# Altium PCB Archimajor.PcbDoc (part 2 of 13) (continued)
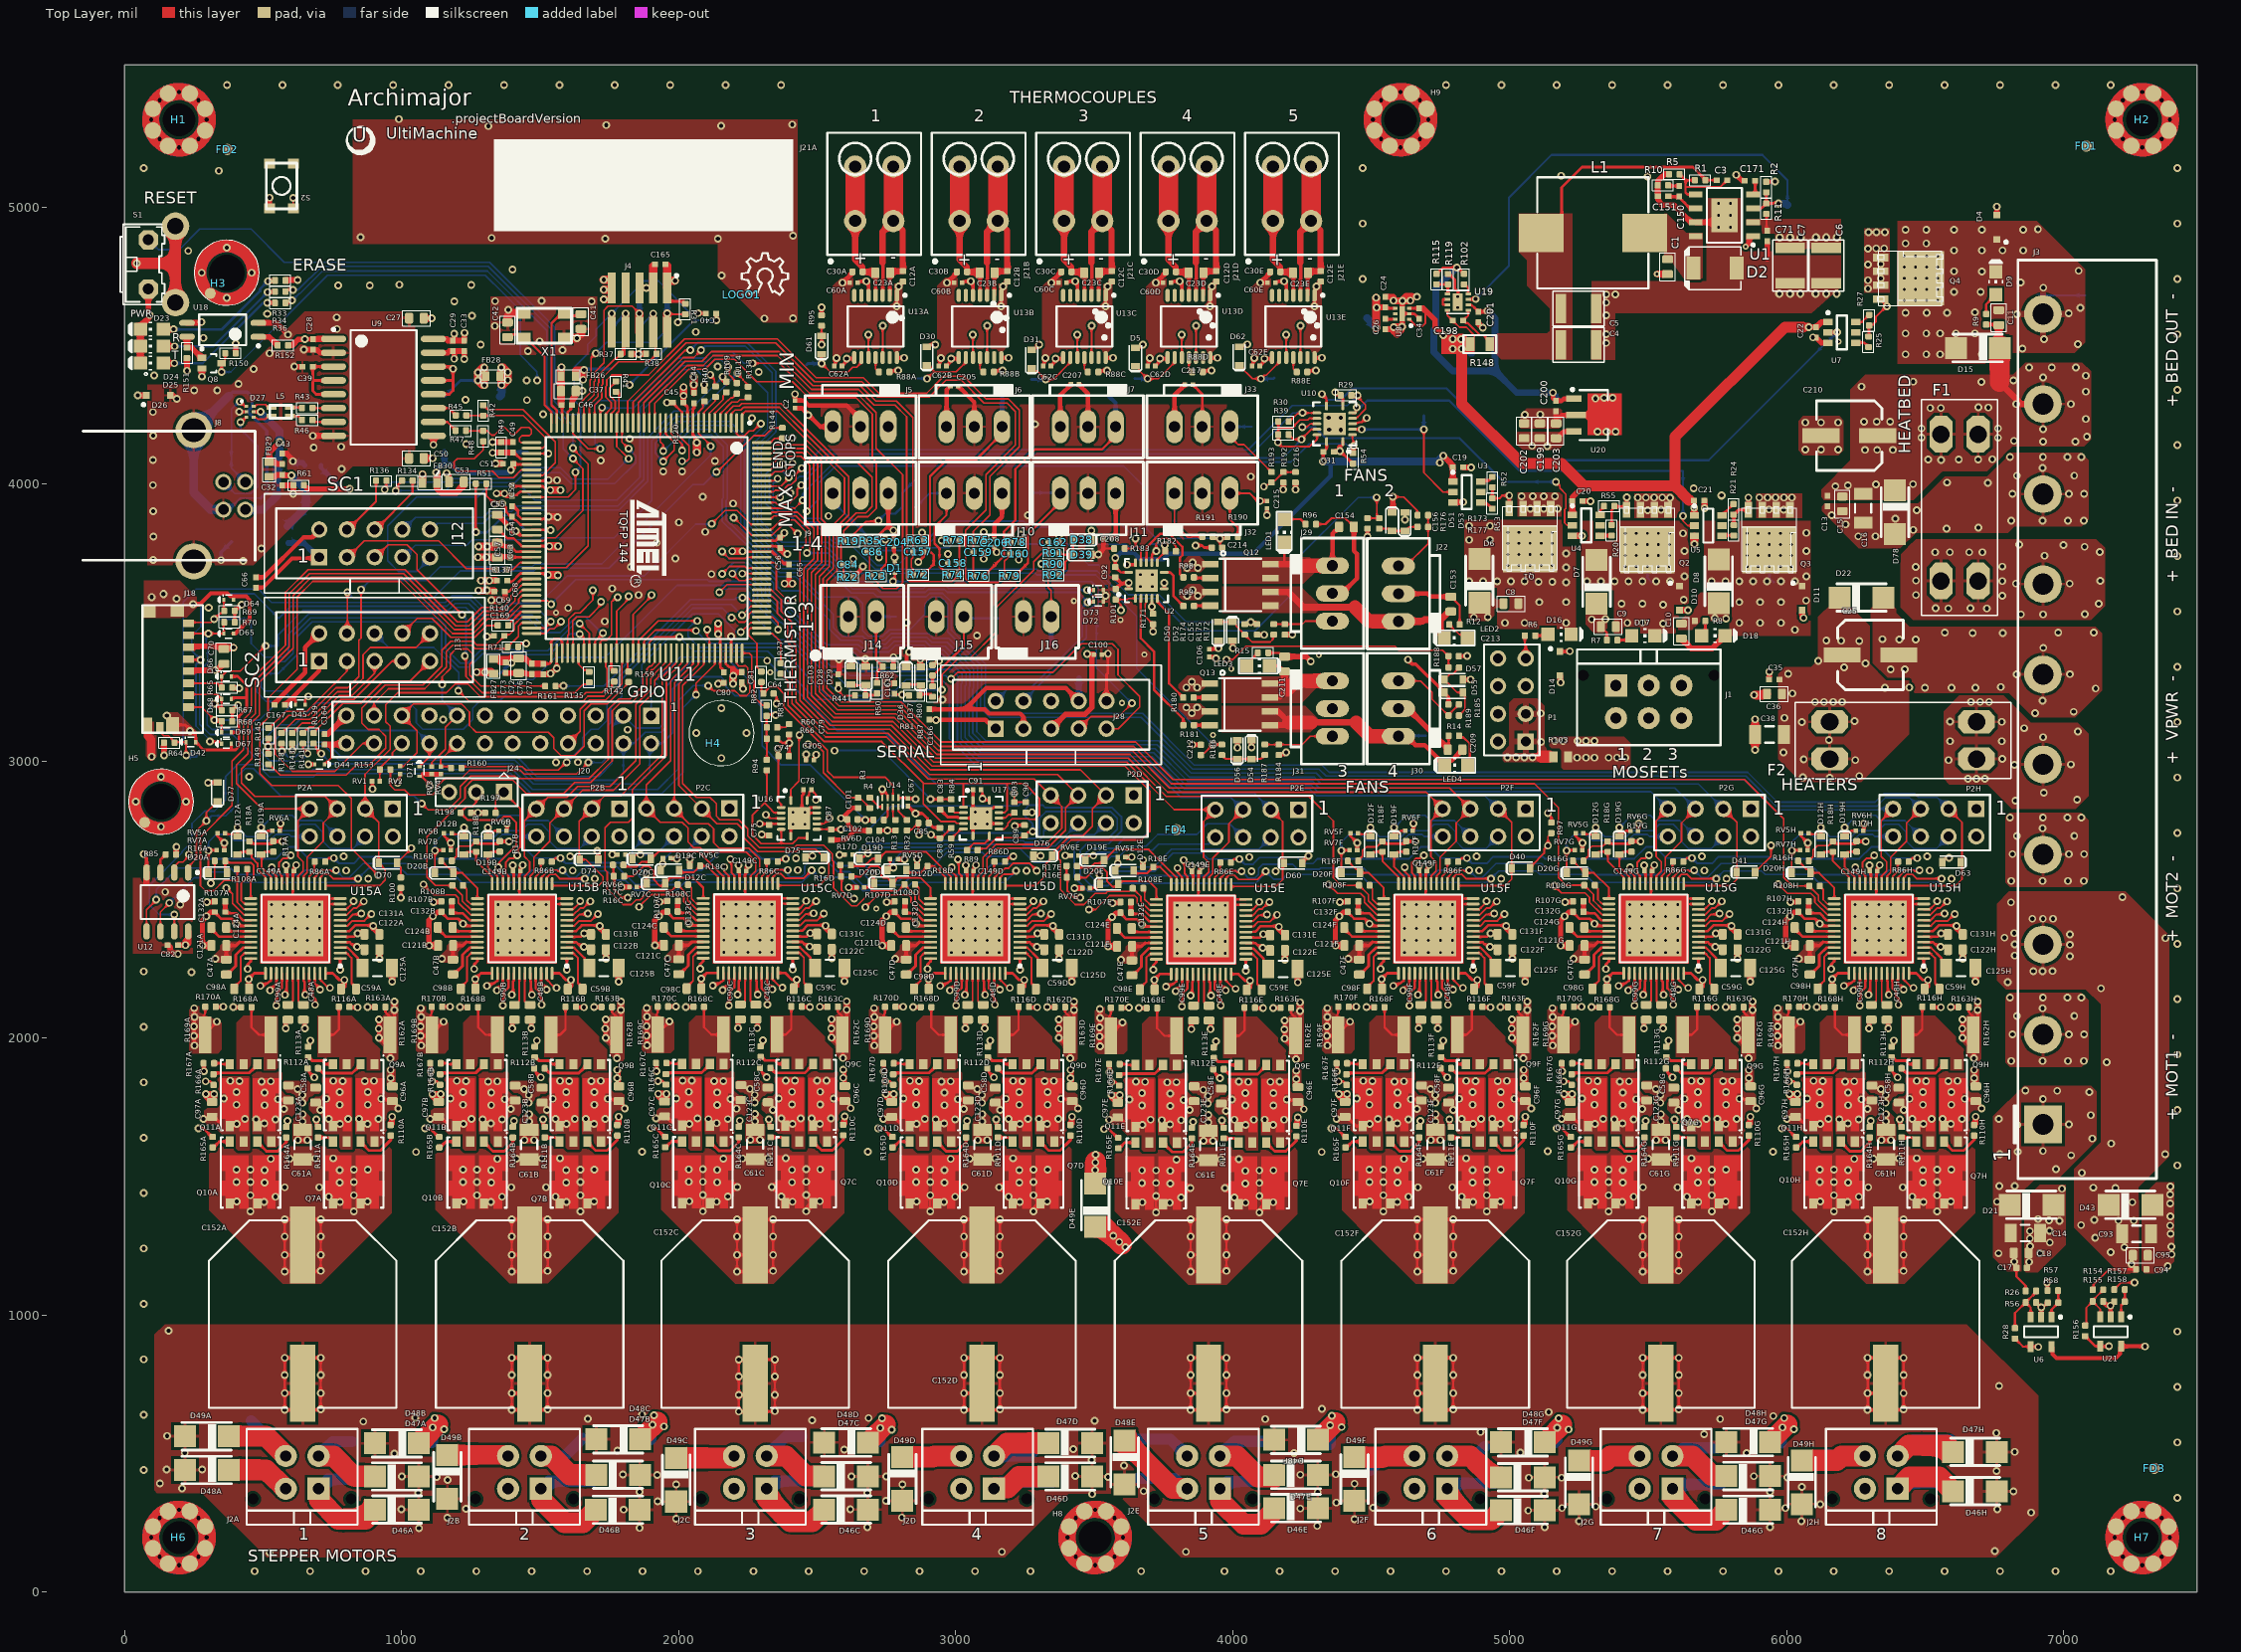
[diagram p0: Top Layer view]
## Components (designator, comment, footprint, x,y, rotation, side; value= is the part's Value field where it differs from the comment) (continued)
RV6A "AVRM0603C6R8NT101N" "C0201 Large Pads" 547.24,2747.44 r0 top value=6.8V (schematic designator RV6)
RV6B "AVRM0603C6R8NT101N" "C0201 Large Pads" 1365.16,2747.44 r0 top value=6.8V (schematic designator RV6)
RV6C "AVRM0603C6R8NT101N" "C0201 Large Pads" 1793.81,2662.18 r180 top value=6.8V (schematic designator RV6)
RV6D "AVRM0603C6R8NT101N" "C0201 Large Pads" 2614.37,2661.22 r180 top value=6.8V (schematic designator RV6)
RV6E "AVRM0603C6R8NT101N" "C0201 Large Pads" 3429.64,2658.24 r180 top value=6.8V (schematic designator RV6)
RV6F "AVRM0603C6R8NT101N" "C0201 Large Pads" 4636.81,2747.44 r0 top value=6.8V (schematic designator RV6)
RV6G "AVRM0603C6R8NT101N" "C0201 Large Pads" 5449.81,2747.44 r0 top value=6.8V (schematic designator RV6)
RV6H "AVRM0603C6R8NT101N" "C0201 Large Pads" 6262.81,2747.44 r0 top value=6.8V (schematic designator RV6)
RV7A "AVRM0603C6R8NT101N" "C0201 Large Pads" 346.46,2677.56 r0 top value=6.8V (schematic designator RV7)
RV7B "AVRM0603C6R8NT101N" "C0201 Large Pads" 1164.37,2677.56 r0 top value=6.8V (schematic designator RV7)
RV7C "AVRM0603C6R8NT101N" "C0201 Large Pads" 1835.94,2544.66 r180 top value=6.8V (schematic designator RV7)
RV7D "AVRM0603C6R8NT101N" "C0201 Large Pads" 2656.5,2543.7 r180 top value=6.8V (schematic designator RV7)
RV7E "AVRM0603C6R8NT101N" "C0201 Large Pads" 3471.77,2540.72 r180 top value=6.8V (schematic designator RV7)
RV7F "AVRM0603C6R8NT101N" "C0201 Large Pads" 4436.02,2677.56 r0 top value=6.8V (schematic designator RV7)
RV7G "AVRM0603C6R8NT101N" "C0201 Large Pads" 5249.02,2677.56 r0 top value=6.8V (schematic designator RV7)
RV7H "AVRM0603C6R8NT101N" "C0201 Large Pads" 6062.02,2677.56 r0 top value=6.8V (schematic designator RV7)
S1 "1571610-2" B3F-31XX 135,4792.53 r270 top value=-NA-
S2 "KMR741NG ULC LFS" "KMR 6 Series" 566.93,5075.79 r90 top value=-NA-
TP1 "TestPoint" TP1-27#1 4814.68,3248.4 r180 bottom
TP2 "TestPoint" TP1-27#1 4482,3503.32 r180 bottom
TP3A "TP4" TP-2 822.12,542.88 r270 bottom (schematic designator TP3)
TP3B "TP4" TP-2 1654.38,555.36 r270 bottom (schematic designator TP3)
TP3C "TP4" TP-2 2446.86,561.6 r270 bottom (schematic designator TP3)
TP3D "TP4" TP-2 3331.38,557.7 r270 bottom (schematic designator TP3)
TP3E "TP4" TP-2 4124.64,543.66 r270 bottom (schematic designator TP3)
TP3F "TP4" TP-2 4910.1,524.16 r270 bottom (schematic designator TP3)
TP3G "TP4" TP-2 5748.6,520.26 r270 bottom (schematic designator TP3)
TP3H "TP4" TP-2 6593.34,549.9 r270 bottom (schematic designator TP3)
TP4 "TestPoint" TP1-27#2 3444.76,3298.6 r90 bottom
TP5 "TP4" TP-2 386,4091.01 r180 bottom
TP6 "TP4" TP-2 449,4168.53 r180 bottom
TP7 "TestPoint" TP1-27#2 5188.3,4304.39 r90 bottom
TP8 "TestPoint" TP1-27#1 4360.24,3793.68 r90 bottom
TP9 "TP4" TP-2 2455,3315.01 r90 bottom
TP10 "TP4" TP-2 2896.37,3256.38 r90 bottom
TP11A "TP4" TP-2 2462.46,4430.15 r90 bottom (schematic designator TP11)
TP11B "TP4" TP-2 2851.68,4381.01 r90 bottom (schematic designator TP11)
TP11C "TP4" TP-2 3274.44,4377.11 r90 bottom (schematic designator TP11)
TP11D "TP4" TP-2 3647.28,4381.01 r90 bottom (schematic designator TP11)
TP11E "TP4" TP-2 4149.6,4382.57 r90 bottom (schematic designator TP11)
TP12A "TP4" TP-2 882.96,407.16 r90 bottom (schematic designator TP12)
TP12B "TP4" TP-2 1692.6,400.14 r90 bottom (schematic designator TP12)
TP12C "TP4" TP-2 2517.06,400.92 r90 bottom (schematic designator TP12)
TP12D "TP4" TP-2 3353.22,396.24 r90 bottom (schematic designator TP12)
TP12E "TP4" TP-2 4125.42,399.36 r90 bottom (schematic designator TP12)
TP12F "TP4" TP-2 4944.42,392.34 r90 bottom (schematic designator TP12)
TP12G "TP4" TP-2 5761.08,388.44 r90 bottom (schematic designator TP12)
TP12H "TP4" TP-2 6594.9,393.9 r90 bottom (schematic designator TP12)
TP13 "TP4" TP-2 261,3017.53 r270 bottom
TP14 "TP4" TP-2 295,3415.01 r270 bottom
TP15 "TP4" TP-2 555,3415.01 r270 bottom
TP16 "TP4" TP-2 555,3215.01 r270 bottom
TP17 "TestPoint" TP1-27#1 4696.57,3090.92 r180 bottom
TP18 "TestPoint" TP1-27#1 4245.78,3288.76 r180 bottom
TP19 "TP4" TP-2 3788.39,3839.96 r90 bottom
TP20 "TP4" TP-2 457.09,3515.01 r270 bottom
TP21 "TP4" TP-2 557.09,3515.01 r270 bottom
TP22 "TP4" TP-2 555,3315.01 r270 bottom
TP23A "TP4" TP-2 2777.58,5043.23 r90 bottom (schematic designator TP23)
TP23B "TP4" TP-2 3151.98,5043.23 r90 bottom (schematic designator TP23)
TP23C "TP4" TP-2 3528.72,5043.23 r90 bottom (schematic designator TP23)
TP23D "TP4" TP-2 3907.02,5043.23 r90 bottom (schematic designator TP23)
TP23E "TP4" TP-2 4283.76,5043.23 r90 bottom (schematic designator TP23)
TP24A "TP4" TP-2 2638.74,5043.23 r90 bottom (schematic designator TP24)
TP24B "TP4" TP-2 3016.26,5043.23 r90 bottom (schematic designator TP24)
TP24C "TP4" TP-2 3392.22,5043.23 r90 bottom (schematic designator TP24)
TP24D "TP4" TP-2 3770.52,5043.23 r90 bottom (schematic designator TP24)
TP24E "TP4" TP-2 4146.48,5043.23 r90 bottom (schematic designator TP24)
TP25 "TP4" TP-2 2855,4015.01 r90 bottom
TP26 "TP4" TP-2 1755,4415.01 r270 bottom
TP27 "TP4" TP-2 1355,3315.01 r270 bottom
TP29 "TP4" TP-2 1155,4115.01 r270 bottom
TP30 "TP4" TP-2 355,4415.01 r270 bottom
TP31 "TP4" TP-2 655,3915.01 r270 bottom
TP32 "TP4" TP-2 1455,4115.01 r270 bottom
TP33 "TP4" TP-2 6911.42,1509.25 r90 bottom
TP34A "TP4" TP-2 413.4,426.66 r270 bottom (schematic designator TP34)
TP34B "TP4" TP-2 1110.72,539.76 r270 bottom (schematic designator TP34)
TP34C "TP4" TP-2 1900.86,550.68 r270 bottom (schematic designator TP34)
TP34D "TP4" TP-2 2728.58,542.88 r270 bottom (schematic designator TP34)
TP34E "TP4" TP-2 3654.3,409.5 r270 bottom (schematic designator TP34)
TP34F "TP4" TP-2 4350.84,531.96 r270 bottom (schematic designator TP34)
TP34G "TP4" TP-2 5165.94,539.76 r270 bottom (schematic designator TP34)
TP34H "TP4" TP-2 5980.26,537.42 r270 bottom (schematic designator TP34)
TP35 "TP4" TP-2 4690.12,4246.5 r270 bottom
TP36 "TP4" TP-2 4865.95,4470.51 r0 bottom
TP37 "TP4" TP-2 7079.28,4680.97 r270 bottom
TP38 "TP4" TP-2 5953.11,3646.02 r90 bottom
TP39 "TP4" TP-2 5512.12,3646.01 r270 bottom
TP40 "TP4" TP-2 5090.12,3650.01 r180 bottom
TP41A "TP4" TP-2 457.86,617.76 r270 bottom (schematic designator TP41)
TP41B "TP4" TP-2 1271.4,490.62 r270 bottom (schematic designator TP41)
TP41C "TP4" TP-2 2056.08,486.72 r270 bottom (schematic designator TP41)
TP41D "TP4" TP-2 2902.38,491.4 r270 bottom (schematic designator TP41)
TP41E "TP4" TP-2 3654.3,551.46 r270 bottom (schematic designator TP41)
TP41F "TP4" TP-2 4496.7,438.36 r270 bottom (schematic designator TP41)
TP41G "TP4" TP-2 5319.6,489.06 r270 bottom (schematic designator TP41)
TP41H "TP4" TP-2 6147.18,498.42 r270 bottom (schematic designator TP41)
TP43 "TP4" TP-2 7079.28,4288.19 r90 bottom
TP44 "TP4" TP-2 7079.28,3642.35 r180 bottom
TP46 "TP4" TP-2 6185.4,3298.37 r90 bottom
TP47 "TP4" TP-2 4485.38,4598.74 r180 bottom
TP48 "TP4" TP-2 7079.28,2988.71 r180 bottom
TP49 "TP4" TP-2 1955,4654.38 r0 bottom
TP50 "TP4" TP-2 1855,4654.38 r0 bottom
TP51 "TP4" TP-2 7079.28,3316.31 r180 bottom
TP52 "TP4" TP-2 1855,4554.38 r0 bottom
TP53 "TP4" TP-2 1755,4554.38 r0 bottom
TP54 "TP4" TP-2 3508.86,3486.61 r0 bottom
TP55 "TP4" TP-2 7079.28,3920.03 r90 bottom
TP56 "TP4" TP-2 1655,4215.01 r90 bottom
TP58 "TP4" TP-2 4990.12,3950.01 r90 bottom
TP59 "TP4" TP-2 5125.7,4007.26 r270 bottom
TP60 "TP4" TP-2 386,3791.01 r90 bottom
TP61 "TP4" TP-2 554.13,4071.5 r90 bottom
TP62 "TP4" TP-2 5412.12,3946.01 r90 bottom
TP63 "TP4" TP-2 5625.7,4046.63 r270 bottom
TP64 "TP4" TP-2 5853.11,3946.02 r90 bottom
TP65 "TP4" TP-2 6138.48,4505.97 r180 bottom
TP66 "TP4" TP-2 6357,4614.1 r270 bottom
TP67 "TP4" TP-2 2642.44,3851.09 r90 bottom
TP69 "TestPoint" TP1-27#2 6003,5007.01 r90 bottom
TP74 "TP4" TP-2 365.83,2802.05 r90 bottom
TP75 "TP4" TP-2 1914.37,3282.87 r0 bottom
TP76 "TP4" TP-2 1799.21,2957.09 r0 bottom
TP77 "TP4" TP-2 1895.67,2959.06 r0 bottom
TP78 "TP4" TP-2 365.13,2909.77 r90 bottom
TP79 "TP4" TP-2 7079.28,2341.31 r90 bottom
TP80 "TP4" TP-2 3155,4315.01 r90 bottom
TP81 "TP4" TP-2 2855,3915.01 r90 bottom
TP82 "TP4" TP-2 4069.6,4206.53 r90 bottom
TP101 "TP4" TP-2 2548.93,3272.02 r90 bottom
TP106 "TP4" TP-2 2786.14,3527.93 r270 bottom
TP107 "TP4" TP-2 3155,3515.01 r270 bottom
TP108 "TP4" TP-2 3355,3415.01 r270 bottom
TP128 "TP4" TP-2 1355,4315.01 r90 bottom
TP129 "TP4" TP-2 1155,4315.01 r90 bottom
TP130 "TP4" TP-2 3555,4315.01 r90 bottom
TP131 "TP4" TP-2 3280.51,3967.91 r90 bottom
U1 "TPS54531" SOIC127P600X170_HS-9L 5775.35,4969.71 r180 top
U2 "SN74AHCT125RGYR" QFN50P350X350X100_RGY_S-PVQFN-N14#1 3688.93,3651.11 r0 top value="Tri-State Buffer"
U3 "ZXGD3009E6" SOT26P285X140-6L 4845.29,3970.9 r0 top
U4 "ZXGD3009E6" SOT26P285X140-6L 5276.57,3850.15 r0 top
U5 "ZXGD3009E6" SOT26P285X140-6L 5716.92,3849.5 r0 top
U6 "AP331A" SOT23-5 6918.36,939.19 r270 top
U7 "ZXGD3009E6" SOT26P285X140-6L 6199.31,4546.97 r0 top
U8 "MIC5353-3.3YMT-TR" TDFN1616-6LD-PL-1 4612.27,4614.39 r90 top value="3.3V LDO"
U9 "ADuM3160" ADuM4160 935,4348.53 r0 top value="USB ISO"
U10 "SN74AHCT125RGYR" QFN50P350X350X100_RGY_S-PVQFN-N14#2 4368.53,4216.88 r90 top value="Tri-State Buffer"
U11 "ATSAM3X8EA-AU" LQFP144_N 1885,3804.63 r270 top value=-NA-
U12 "AT25SF161-SSHD-T" S25FL216K0PMFI041 155.02,2490.97 r270 top value=16Mb
U13A "MAX31856MUD" "TSSOP-14L 65P640X110" 2711.22,4568.46 r270 top (schematic designator U13)
U13B "MAX31856MUD" "TSSOP-14L 65P640X110" 3088.21,4568.46 r270 top (schematic designator U13)
U13C "MAX31856MUD" "TSSOP-14L 65P640X110" 3465.21,4568.46 r270 top (schematic designator U13)
U13D "MAX31856MUD" "TSSOP-14L 65P640X110" 3842.21,4568.46 r270 top (schematic designator U13)
U13E "MAX31856MUD" "TSSOP-14L 65P640X110" 4219.21,4568.46 r270 top (schematic designator U13)
U14 "74AVC9112" XSON50P100X50-8L 2764.51,2850.48 r270 top
U15A "TMC5160-TA" TQFP48-EP 617.42,2395.09 r180 top (schematic designator U15)
U15B "TMC5160-TA" TQFP48-EP 1435.33,2395.09 r180 top (schematic designator U15)
U15C "TMC5160-TA" TQFP48-EP 2250.6,2396.05 r180 top (schematic designator U15)
U15D "TMC5160-TA" TQFP48-EP 3071.16,2395.09 r180 top (schematic designator U15)
U15E "TMC5160-TA" TQFP48-EP 3886.43,2392.12 r180 top (schematic designator U15)
U15F "TMC5160-TA" TQFP48-EP 4706.98,2395.09 r180 top (schematic designator U15)
U15G "TMC5160-TA" TQFP48-EP 5519.98,2395.09 r180 top (schematic designator U15)
U15H "TMC5160-TA" TQFP48-EP 6332.98,2395.09 r180 top (schematic designator U15)
U16 "SN74LVC125A" PVQFN14_3.5X3.5 2434.76,2792.69 r270 top
U17 "SN74LVC125A" PVQFN14_3.5X3.5 3092.52,2793.7 r270 top
U18 "TLP293" SO-4 354.48,4556.14 r180 top value=-NA-
U19 "INA381A2IDSGR" WSON8_2X2MM 4812.95,4656.51 r180 top value=INA381A2
U20 "78L05" SOT-89-3 5302.83,4248.28 r0 top value="5V LDO"
U21 "AP331A" SOT23-5 7169.5,939.81 r270 top
X1 "12MHz" CRYS320500 1514.98,4570.99 r0 top

## Footprints (in the part's own frame and the unit in brackets; to place one, negate y for a bottom-side part, rotate by r counter-clockwise, add the part's x,y. Pads: shape width x height; smd on the part's side, far side on the other; paste and mask are expansions set on the pad)
3557 [mil] "3557"
  oct 133x83 hole 63: 1(-265,-67) 1(-265,67) 2(265,-67) 2(265,67)
  silkscreen extent -390,-138 390,138, body extent -392,-140 392,140, height 709
43045-0412 [mm] "Micro-Fit Through Hole 4pos 0.118\" (3.00mm)"
  rect 2.032x2.032 hole 1.02: 1(-1.5,1.5)
  round 2.032 hole 1.02: 2(-1.5,-1.5) 3(1.5,1.5) 4(1.5,-1.5)
  round 0 hole 1.02 unplated: ""(-4.5,2.44) ""(4.5,2.44)
  silkscreen extent -5.07,-3.97 5.08,4.8, body extent -5.07,-3.97 5.08,4.8, height 9.9
43045-0612 [mm] "Micro-Fit Through Hole 6pos 0.118\" (3.00mm)"
  rect 2.032x2.032 hole 1.02: 1(-3,1.5)
  round 2.032 hole 1.02: 2(-3,-1.5) 3(0,1.5) 4(0,-1.5) 5(3,1.5) 6(3,-1.5)
  round 0 hole 1.02 unplated: ""(-6,2.44) ""(6,2.44)
  silkscreen extent -6.57,-3.97 6.58,4.8, body extent -6.57,-3.97 6.58,4.8, height 9.9
"70543-01 PIN-IN-PASTE" [mil]
  oval 60x120 hole 40: 1(-50,0) 2(50,0)
  oval 59x119 on Top Paste: ""(-50,0) ""(50,0)
  silkscreen extent -150,-150 150,113, body extent -150,-150 150,113, height 450
"70543-02 PIN-IN-PASTE" [mil]
  oval 60x120 hole 40: 1(-100,0) 2(0,0) 3(100,0)
  oval 59x119 on Top Paste: ""(-100,0) ""(0,0) ""(100,0)
  silkscreen extent -200,-150 200,113, body extent -200,-150 200,113, height 450
1864286 [mm] "TERM BLOCK 2POS 45DEG 3.5MM PCB"
  round 2.032 hole 1.1: 1(-1.75,-2.5) 1(-1.75,2.5) 2(1.75,-2.5) 2(1.75,2.5)
  silkscreen extent -4.3,-6.34 4.3,5.6, body extent -4.3,-5.6 4.3,5.6, height 10.9
ADuM4160 [mm] "SOIC, 16-Leads, Body 10.30x7.50mm, Pitch 1.27mm, IPC Medium Density"
  oval 2.3x0.6 smd: 1(-4.575,4.445) 2(-4.575,3.175) 3(-4.575,1.905) 4(-4.575,0.635) 5(-4.575,-0.635) 6(-4.575,-1.905) 7(-4.575,-3.175) 8(-4.575,-4.445) 9(4.575,-4.445) 10(4.575,-3.175) 11(4.575,-1.905) 12(4.575,-0.635) 13(4.575,0.635) 14(4.575,1.905) 15(4.575,3.175) 16(4.575,4.445)
  silkscreen extent -4.7,-5.25 3.03,5.42, body extent -3.8,-5.25 3.8,5.25, height 2.65
B3F-31XX [mil]
  oct 70x70 hole 40: 1(-89,-49) 2(89,-49)
  round 100 hole 59: 3(-138,49) 4(138,49)
  silkscreen extent -145,-150 145,10, body extent -165,-200 165,109, height 303
"C0201 Large Pads" [mm] "Chip Capacitor, 2-Leads, Body 0.60x0.30mm, IPC Medium Density"
  rect 0.42x0.42 smd: 1(-0.35,0) 2(0.35,0)
  body extent -0.31,-0.17 0.32,0.16, height 0.33
C0402#1 [mm]
  rect 0.55x0.5 smd: 1(-0.475,0) 2(0.483,0)
  body extent -0.51,-0.25 0.51,0.25, height 0.5
C0402#2 [mm]
  rrect40% 0.559x0.61 smd: 1(-0.475,0) 2(0.475,0)
  body extent -0.5,-0.25 0.51,0.25, height 0.5
C0603 [mm]
  rrect40% 0.74x1 smd: 1(-0.68,0) 2(0.68,0)
  silkscreen extent -1.28,-0.7 1.28,0.7, body extent -0.8,-0.4 0.8,0.4, height 0.8
C1206#1 [mm] "Chip Capacitor, Body 3.2x1.6mm, IPC High Density"
  rect 1.1x1.7 smd: 1(-1.35,0) 2(1.35,0)
  silkscreen extent -0.4,-0.75 0.4,0.75, body extent -1.7,-0.9 1.7,0.9, height 1.3
C1206#2 [mm]
  rect 1.1x1.7 smd: 1(-1.325,0) 2(1.325,0)
  silkscreen extent -0.4,-0.75 0.4,0.75, body extent -1.68,-0.87 1.67,0.88, height 1.6
C1210 [mm]
  rect 0.95x2.7 smd: 1(-1.625,0) 2(1.625,0)
  silkscreen extent -2.35,-1.6 2.35,1.6, body extent -1.75,-1.35 1.75,1.35, height 2.7
CAP16x17 [mm] "Aluminum Electrolytic Capacitor, Body 10.30x10.30x10.80mm, IPC High Density"
  rect 7.05x2.3 smd: 1(-6.345,0) 2(6.345,0)
  silkscreen extent -8.6,-8.6 8.6,8.6, body extent -8.6,-8.6 8.6,8.6, height 17
CAP-ELEC-063063077 [mm] "6.3x6.3x7.7mm"
  rect 3.4x1.4 smd: 1(2.6,0) 2(-2.6,0)
  silkscreen extent -3,-3.2 3,3.2, body extent -3.5,-3.3 3.5,3.3, height 5.4
CON-Barrier-10-8.26mm [mil]
  rect 136x135.98 hole 75.98: 1(-812.5,160)
  oval 136x135.98 hole 75.98: 2(-487.5,160) 3(-162.5,160) 4(162.5,160) 5(487.5,160) 6(812.5,160) 7(1138.29,160) 8(1463.29,160) 9(1788.29,160) 10(2113.29,160)
  silkscreen extent -1008,-250 2308,265, body extent -1007,-250 2308,250, height 530
CRYS320500 [mm]
  rect 1.2x0.9 smd: 1(-1.85,-1.1) 2(1.85,-1.1) 3(1.85,1.1) 4(-1.85,1.1)
  round 0.889 on Top Overlay: ""(-1.85,-2.25)
  silkscreen extent -2.5,-1.6 2.5,1.6, body extent -2.55,-1.65 2.55,1.65, height 1.05
DLW21HN900SQ2L [mm]
  rect 0.9x0.4 smd: 1(-0.85,0.4) 2(0.85,0.4) 3(0.85,-0.4) 4(-0.85,-0.4)
  silkscreen extent -1,-0.6 1,0.6, body extent -1,-0.6 1,0.6, height 1
FB0603 [mm] "Ferrite Bead, Samsung CIS10P High Current Series"
  rect 0.67x0.88 smd: 1(-0.665,0) 2(0.665,0)
  silkscreen extent -1.1,-0.6 1.1,0.6, body extent -0.87,-0.48 0.87,0.48, height 0.95
FIDUCIAL-1X2 [mil]
  rrect100% 40x40 smd paste-3897.64 mask+20: F(0,0)
  body extent -20,-20 20,20, height 1
FTSH-105-XX-X-DV [mm] "1.27mm pitch, 10 pin, terminal strip; vertical, SMT"
  rect 0.75x2.8 smd: 1(2.54,2.03) 2(2.54,-2.03) 3(1.27,2.03) 4(1.27,-2.03) 5(0,2.03) 6(0,-2.03) 7(-1.27,2.03) 8(-1.27,-2.03) 9(-2.54,2.03) 10(-2.54,-2.03)
  silkscreen extent 3.28,3.03 3.52,3.27, body extent -3.14,-2.54 3.14,2.54, height 10
HDR2X4 [mm] "Connector; Header; 4x2 Position"
  rect 1.5x1.5 hole 0.9: 1(0,0)
  round 1.5 hole 0.9: 2(0,2.54) 3(2.54,0) 4(2.54,2.54) 5(5.08,0) 6(5.08,2.54) 7(7.62,0) 8(7.62,2.54)
  silkscreen extent -1.27,-1.27 8.89,3.81, body extent -1.37,-1.37 8.99,3.91, height 6.35
"HDR2X5 IDC" [mm] "Connector; Header; 5x2 Position"
  rect 1.5x1.5 hole 0.9: 1(-5.08,-1.27)
  round 1.5 hole 0.9: 2(-5.08,1.27) 3(-2.54,-1.27) 4(-2.54,1.27) 5(0,-1.27) 6(0,1.27) 7(2.54,-1.27) 8(2.54,1.27) 9(5.08,-1.27) 10(5.08,1.27)
  silkscreen extent -10.11,-4.55 10.11,4.55, body extent -10.19,-4.63 10.19,4.63, height 9.1
HDR2X12 [mm] "Connector; Header; 12x2 Position"
  rect 1.5x1.5 hole 0.9: 1(0,0)
  round 1.5 hole 0.9: 2(0,2.54) 3(2.54,0) 4(2.54,2.54) 5(5.08,0) 6(5.08,2.54) 7(7.62,0) 8(7.62,2.54) 9(10.16,0) 10(10.16,2.54) 11(12.7,0) 12(12.7,2.54) 13(15.24,0) 14(15.24,2.54) 15(17.78,0) 16(17.78,2.54) 17(20.32,0) 18(20.32,2.54) 19(22.86,0) 20(22.86,2.54) 21(25.4,0) 22(25.4,2.54) 23(27.94,0) 24(27.94,2.54)
  silkscreen extent -1.27,-1.27 29.21,3.81, body extent -1.37,-1.37 29.31,3.91, height 10
HDR3X1 [mm]
  rect 1.5x1.5 hole 0.9: 1(-2.54,0)
  round 1.5 hole 0.9: 2(0,0) 3(2.48,0)
  silkscreen extent -3.81,-1.78 3.73,1.27, body extent -3.81,-1.27 3.73,1.27, height 6.35
IND_10X10 [mm]
  rect 4.1x3.5 smd: 1(-4.75,0) 2(4.75,0)
  silkscreen extent -5.1,-5.1 5.1,5.1, body extent -5,-5 5,5, height 4
"KMR 6 Series" [mm] "Tactile Switch SPST-NO Top Actuated Surface Mount"
  rect 0.9x1 smd: 1(-2.05,1.1) 2(2.05,1.1) 3(-2.05,-1.1) 4(2.05,-1.1)
  silkscreen extent -2.1,-1.4 2.1,1.4, body extent -2.1,-1.4 2.1,1.4, height 1.9
LED2012120 [mil]
  rect 48x48 smd: A(-41.34,0) C(42,0)
  silkscreen extent 0,-27 85,27, body extent -50,-25 50,25, height 28
LQFP144_N [mm] "Thin QFP, 144-Leads, Body 20x20mm, Pitch 0.5mm, IPC Medium Density"
  oval 1.8x0.249 smd: 1(-10.55,8.75) 2(-10.55,8.25) 3(-10.55,7.75) 4(-10.55,7.25) 5(-10.55,6.75) 6(-10.55,6.25) 7(-10.55,5.75) 8(-10.55,5.25) 9(-10.55,4.75) 10(-10.55,4.25) 11(-10.55,3.75) 12(-10.55,3.25) 13(-10.55,2.75) 14(-10.55,2.25) 15(-10.55,1.75) 16(-10.55,1.25) 17(-10.55,0.75) 18(-10.55,0.25) 19(-10.55,-0.25) 20(-10.55,-0.75) 21(-10.55,-1.25) 22(-10.55,-1.75) 23(-10.55,-2.25) 24(-10.55,-2.75) 25(-10.55,-3.25) 26(-10.55,-3.75) 27(-10.55,-4.25) 28(-10.55,-4.75) 29(-10.55,-5.25) 30(-10.55,-5.75) 31(-10.55,-6.25) 32(-10.55,-6.75) 33(-10.55,-7.25) 34(-10.55,-7.75) 35(-10.55,-8.25) 36(-10.55,-8.75) 73(10.55,-8.75) 74(10.55,-8.25) 75(10.55,-7.75) 76(10.55,-7.25) 77(10.55,-6.75) 78(10.55,-6.25) 79(10.55,-5.75) 80(10.55,-5.25) 81(10.55,-4.75) 82(10.55,-4.25) 83(10.55,-3.75) 84(10.55,-3.25) 85(10.55,-2.75) 86(10.55,-2.25) 87(10.55,-1.75) 88(10.55,-1.25) 89(10.55,-0.75) 90(10.55,-0.25) 91(10.55,0.25) 92(10.55,0.75) 93(10.55,1.25) 94(10.55,1.75) 95(10.55,2.25) 96(10.55,2.75) 97(10.55,3.25) 98(10.55,3.75) 99(10.55,4.25) 100(10.55,4.75) 101(10.55,5.25) 102(10.55,5.75) 103(10.55,6.25) 104(10.55,6.75) 105(10.55,7.25) 106(10.55,7.75) 107(10.55,8.25) 108(10.55,8.75)
  oval 0.249x1.8 smd: 37(-8.75,-10.55) 38(-8.25,-10.55) 39(-7.75,-10.55) 40(-7.25,-10.55) 41(-6.75,-10.55) 42(-6.25,-10.55) 43(-5.75,-10.55) 44(-5.25,-10.55) 45(-4.75,-10.55) 46(-4.25,-10.55) 47(-3.75,-10.55) 48(-3.25,-10.55) 49(-2.75,-10.55) 50(-2.25,-10.55) 51(-1.75,-10.55) 52(-1.25,-10.55) 53(-0.75,-10.55) 54(-0.25,-10.55) 55(0.25,-10.55) 56(0.75,-10.55) 57(1.25,-10.55) 58(1.75,-10.55) 59(2.25,-10.55) 60(2.75,-10.55) 61(3.25,-10.55) 62(3.75,-10.55) 63(4.25,-10.55) 64(4.75,-10.55) 65(5.25,-10.55) 66(5.75,-10.55) 67(6.25,-10.55) 68(6.75,-10.55) 69(7.25,-10.55) 70(7.75,-10.55) 71(8.25,-10.55) 72(8.75,-10.55) 109(8.75,10.55) 110(8.25,10.55) 111(7.75,10.55) 112(7.25,10.55) 113(6.75,10.55) 114(6.25,10.55) 115(5.75,10.55) 116(5.25,10.55) 117(4.75,10.55) 118(4.25,10.55) 119(3.75,10.55) 120(3.25,10.55) 121(2.75,10.55) 122(2.25,10.55) 123(1.75,10.55) 124(1.25,10.55) 125(0.75,10.55) 126(0.25,10.55) 127(-0.25,10.55) 128(-0.75,10.55) 129(-1.25,10.55) 130(-1.75,10.55) 131(-2.25,10.55) 132(-2.75,10.55) 133(-3.25,10.55) 134(-3.75,10.55) 135(-4.25,10.55) 136(-4.75,10.55) 137(-5.25,10.55) 138(-5.75,10.55) 139(-6.25,10.55) 140(-6.75,10.55) 141(-7.25,10.55) 142(-7.75,10.55) 143(-8.25,10.55) 144(-8.75,10.55)
  silkscreen extent -10.67,-9.25 9.25,9.58, body extent -10,-10 10,10, height 1.6
NCV8402AD-SOIC8 [mil]
  rect 24x60 smd: 1(-75,-108.27) 2(-25,-108.27) 3(25,-108.27) 4(75,-108.27) 5(25,109) 5(75,109) 7(-75,109) 7(-25,109)
  silkscreen extent -122,-75 95,75, body extent -98,-130 99,130, height 58
OSHW_8X150_NOTEXT [mil]
  silkscreen extent 0,0 167,150, body extent 0,2 168,148
PN61729 [mil]
  round 58 hole 38: 1(50,186) 2(-49.21,186) 3(-49.21,107) 4(50,107)
  round 130.5 hole 87: 5(-236.22,0) 6(237,0)
  body extent -237,-405 238,226, height 406
PVQFN14_3.5X3.5 [mm] "QFN, 14-Leads, Body 3.50x3.50mm, Pitch 1.50mm/0.50mm, Thermal Pad 2.05x2.05mm, IPC High Density"
  oval 0.8x0.28 smd: 1(-1.631,-0.75) 7(1.631,-0.75) 8(1.631,0.75) 14(-1.631,0.75)
  oval 0.28x0.8 smd: 2(-1,-1.631) 3(-0.5,-1.631) 4(0,-1.631) 5(0.5,-1.631) 6(1,-1.631) 9(1,1.631) 10(0.5,1.631) 11(0,1.631) 12(-0.5,1.631) 13(-1,1.631)
  rect 2.05x2.05 smd paste-1.143: 15(0,0)
  silkscreen extent -2.66,-1.97 1.97,1.97, body extent -1.83,-1.83 1.83,1.83, height 1
QFN50P350X350X100_RGY_S-PVQFN-N14#1 [mm] "QFN, 14-Leads, Body 3.50x3.50mm, Pitch 1.50mm/0.50mm, Thermal Pad 2.05x2.05mm, IPC High Density"
  oval 0.8x0.28 smd: 1(-1.631,-0.75) 7(1.631,-0.75) 8(1.631,0.75) 14(-1.631,0.75)
  oval 0.28x0.8 smd: 2(-1,-1.631) 3(-0.5,-1.631) 4(0,-1.631) 5(0.5,-1.631) 6(1,-1.631) 9(1,1.631) 10(0.5,1.631) 11(0,1.631) 12(-0.5,1.631) 13(-1,1.631)
  rect 2.05x2.05 smd paste-1.143: 15(0,0)
  silkscreen extent -2.66,-1.97 1.97,1.97, body extent -1.83,-1.83 1.83,1.83, height 1
QFN50P350X350X100_RGY_S-PVQFN-N14#2 [mm] "QFN, 14-Leads, Body 3.50x3.50mm, Pitch 1.50mm/0.50mm, Thermal Pad 2.05x2.05mm, IPC High Density"
  oval 0.8x0.28 smd: 1(-1.625,-0.75) 7(1.625,-0.75) 8(1.625,0.75) 14(-1.625,0.75)
  oval 0.28x0.8 smd: 2(-1,-1.625) 3(-0.5,-1.625) 4(0,-1.625) 5(0.5,-1.625) 6(1,-1.625) 9(1,1.625) 10(0.5,1.625) 11(0,1.625) 12(-0.5,1.625) 13(-1,1.625)
  rect 2.032x2.032 smd: 15(0,0)
  silkscreen extent -2.66,-1.97 1.97,1.97, body extent -1.83,-1.83 1.83,1.83, height 1
R0402 [mil]
  rrect40% 22x24 smd: 1(-18.9,0) 2(19,0)
  silkscreen extent -38,-19 38,20, body extent -20,-10 20,10, height 14
R0402TBD [mil]
  rrect40% 22x24 smd: 1(-18.9,0) 2(19,0)
  silkscreen extent -38,-19 38,20, body extent -20,-10 20,10, height 14
R0603 [mil]
  rect 29x39 smd: 1(-26.75,0) 2(26.75,0)
  body extent -34,-19 34,19, height 22
R0805 [mm]
  rect 0.8x1.25 smd mask+0.051: 1(-0.9,0) 2(0.9,0)
  silkscreen extent -1.5,-0.82 1.5,0.82, body extent -1.05,-0.67 1.05,0.67, height 0.6
R2512 [mm]
  rect 1.15x3.35 smd: 1(-3,0) 2(3,0)
  body extent -3.22,-1.68 3.22,1.68, height 0.65
S25FL216K0PMFI041 [mm] "SOIC, 8-Leads, Body 4.90x3.90mm, Pitch 1.27mm, IPC Medium Density"
  oval 1.5x0.6 smd: 1(-2.7,1.905) 2(-2.7,0.635) 3(-2.7,-0.635) 4(-2.7,-1.905) 5(2.7,-1.905) 6(2.7,-0.635) 7(2.7,0.635) 8(2.7,1.905)
  silkscreen extent -2.82,-2.45 1.55,2.88, body extent -1.95,-2.45 1.95,2.45, height 1.75
"SD_MICRO 475710001" [mm] "CONN MICRO SD CARD PUSH-PULL R/A Half length"
  rect 0.7x1 smd: 1(3.85,1.465) 2(2.75,1.465) 3(1.65,1.465) 4(0.55,1.465) 5(-0.55,1.465) 6(-1.65,1.465) 7(-2.75,1.465) 8(-3.85,1.465)
  rect 1.05x1.2 smd: 9(-4.975,0.415)
  rect 1.15x1.2 smd: 10(-4.925,-2.175)
  rect 1.45x1.2 smd: 11(5.475,-0.025)
  rect 1x0.694 smd: 12(5.7,-1.175)
  rect 1.4x0.9 smd: 13(5.5,-2.325)
  silkscreen extent -5.5,-2.78 6.2,2.78, body extent -5.38,-2.55 6.02,2.9, height 2.36
SJ#1 [mil]
  rrect50% 46x63 smd paste-32: 1(-30,0) 2(30,0)
  silkscreen extent -65,-40 65,40, body extent -53,-31 53,31, height 4
SJ#2 [mil]
  rrect50% 46x63 smd: 1(-30,0) 2(30,0)
  silkscreen extent -65,-40 65,40, body extent -53,-31 53,31, height 4
SMA-SM#1 [mil]
  rect 79x79 smd: A(79,0) C(-78.74,0)
  round 25 on Top Overlay: ""(-107.28,56.1)
  silkscreen extent -89,-49 89,50, body extent -105,-54 105,55, height 116
SMA-SM#2 [mil]
  rect 79x79 smd: A(79,0) K(-78.74,0)
  round 25 on Top Overlay: ""(-107.28,56.1)
  silkscreen extent -89,-49 89,50, body extent -105,-54 105,55, height 116
SMB_DO-214AA_LRG [mil]
  rect 50x83 smd mask+2: A(78,0) K(-78,0)
  silkscreen extent -109,-78 93,78
"SO8FL-Dual (DFN8 5x6, 1.26P Dual Flag)" [mm] "SON, 8-Leads, Body 5.15x6.15mm, Pitch 1.27mm, IPC High Density"
  rect 0.75x0.95 smd: 1(-1.905,-2.835) 2(-0.635,-2.835) 3(0.635,-2.835) 4(1.905,-2.835)
  rect 0.75x0.95 smd paste-1 mask-1: 5(1.905,2.835) 7(-0.635,2.835)
  Top Layer region: 2.775,-1.55 0.2,-1.55 0.2,3.31 1.005,3.31 1.005,2.75 1.53,2.75 1.53,3.31 2.28,3.31 2.28,2.15 2.775,2.15 2.775,0.75 2.28,0.75 2.28,-0.15 2.775,-0.15
  Top Layer region: -2.775,-1.55 -0.2,-1.55 -0.2,3.31 -1.005,3.31 -1.005,2.75 -1.53,2.75 -1.53,3.31 -2.28,3.31 -2.28,2.15 -2.775,2.15 -2.775,0.75 -2.28,0.75 -2.28,-0.15 -2.775,-0.15
  silkscreen extent -2.78,-3.67 2.73,3.22, body extent -2.58,-3.08 2.58,3.08, height 1.1
SO-4 [mm]
  oval 1.45x0.55 smd: 1(-3.275,0.635) 2(-3.275,-0.635) 3(3.275,-0.635) 4(3.275,0.635)
  silkscreen extent -3.4,-1.4 2.15,1.58, body extent -3.57,-1.4 3.57,1.4, height 2.1
SOD323-R [mil]
  rect 24x24 smd: A(44,0) C(-43.31,0)
  silkscreen extent -58,-38 -48,-28, body extent -50,-31 50,31, height 28
SOD523_IPC [mm]
  rect 0.6x0.8 smd: A(0.85,0) K(-0.85,0)
  silkscreen extent -1.35,-0.55 1.07,0.55, body extent -0.65,-0.45 0.65,0.45, height 0.65
SOD923-100X40-2N [mm] "SODFL, 2-Leads, Body 0.60x1.00mm, IPC Medium Density"
  rect 0.3x0.4 smd paste-0.025: A(0.45,0) C(-0.45,0)
  silkscreen extent -0.55,0.35 -0.45,0.45, body extent -0.42,-0.33 0.43,0.33, height 0.4
SOD923-D [mm] "SODFL, 2-Leads, Body 0.60x1.00mm, IPC Medium Density"
  rect 0.3x0.4 smd paste-0.025: A(0.45,0) K(-0.45,0)
  silkscreen extent -0.97,-0.43 0.33,0.43, body extent -0.42,-0.33 0.43,0.33, height 0.4
SOIC127P600X170_HS-9L [mm] "SOIC, 8-Leads, Body 4.90x3.90mm, Pitch 1.27mm, Thermal Pad 3.10x2.40mm, IPC High Density"
  rect 1.25x0.55 smd: 1(-2.625,1.905) 2(-2.625,0.635) 3(-2.625,-0.635) 4(-2.625,-1.905) 5(2.625,-1.905) 6(2.625,-0.635) 7(2.625,0.635) 8(2.625,1.905)
  rect 2.4x3.1 smd: 9(0,0)
  silkscreen extent -2.75,-2.5 1.6,2.85, body extent -2,-2.5 2,2.5, height 1.7
SOT23-5 [mm]
  rect 1x0.55 smd: 1(-1.35,0.95) 2(-1.35,0) 3(-1.35,-0.95) 4(1.35,-0.95) 5(1.35,0.95)
  silkscreen extent -1.47,-1.55 0.5,1.9, body extent -1.5,-1.53 1.5,1.53, height 1.45
SOT26P285X140-6L [mm] "SOT26, 6-Leads, Body 3.00x2.85mm, Pitch 0.95mm, IPC High Density"
  rect 0.85x0.6 smd: 1(-1.275,0.95) 2(-1.275,0) 3(-1.275,-0.95) 4(1.275,-0.95) 5(1.275,0) 6(1.275,0.95)
  silkscreen extent -1.4,-1.55 0.45,1.92, body extent -0.85,-1.55 0.85,1.55, height 1.4
"SOT523 SMALL" [mm]
  rect 0.8x0.55 smd: 1(-0.9,0.5) 2(-0.9,-0.5) 3(0.9,0)
  silkscreen extent -1.02,-0.85 0.43,1.45, body extent -0.43,-0.85 0.43,0.85, height 0.8
SOT669_Universal [mil]
  rect 28x56 smd: 1(-75,-100.41) 2(-25,-100.41) 3(25,-100.41) 4(75,-100.41)
  rect 197x170 smd paste-102.36 mask-236.22: TAB(0,43.98)
  silkscreen extent -99,-112 98,126, body extent -99,-112 98,126, height 39
SOT886 [mm]
  rect 0.27x0.325 smd paste-5: 1(-0.5,-0.337) 2(0,-0.337) 3(0.5,-0.337) 4(0.5,0.337) 5(0,0.337) 6(-0.5,0.337)
  silkscreen extent -1.05,-0.83 -0.9,-0.67, body extent -0.75,-0.53 0.75,0.53, height 0.54
SOT-89-3 [mm]
  rect 1.4x0.6 smd: 1(-1.8,1.5) 3(-1.8,-1.5)
  rect 1.8x0.6 smd: 2(-1.6,0)
  Top Layer region: -0.705,0.295 -0.05,0.95 1.85,0.95 2.5,0.3 2.5,-0.3 1.85,-0.95 -0.05,-0.95 -0.705,-0.295
  silkscreen extent -2.05,-2.3 1.32,2.47, body extent -2.2,-2.3 1.85,2.3, height 1.6
STANDOFF3MMTOPCONN#1 [mm]
  round 1 smd paste-2 mask-2: 1(-1.5,-1.9)
  round 0 hole 3.3 unplated paste-2 mask-3: ""(0,0)
  Top Layer lines w1.143: -2.438,0 cw(c0,0) 2.438,0 cw(c0,0) 0,-2.438 cw(c0,0) -2.438,0
  Bottom Layer circle w1.143: c0,0 r2.438
  silkscreen extent -2.98,-2.98 2.98,2.98, body extent -2.98,-2.98 2.98,2.98, height 0.01
STANDOFF3MMTOPCONN#2 [mm]
  round 1 on Mech10 paste-2 mask-2: 1(-1.5,-1.9)
  round 0 on Mech10 paste-2 mask-3: ""(0,0)
  silkscreen extent -2.98,-2.98 2.98,2.98, body extent -2.98,-2.98 2.98,2.98, height 0.01